# KiCad board IotFan.kicad_pcb (continued)
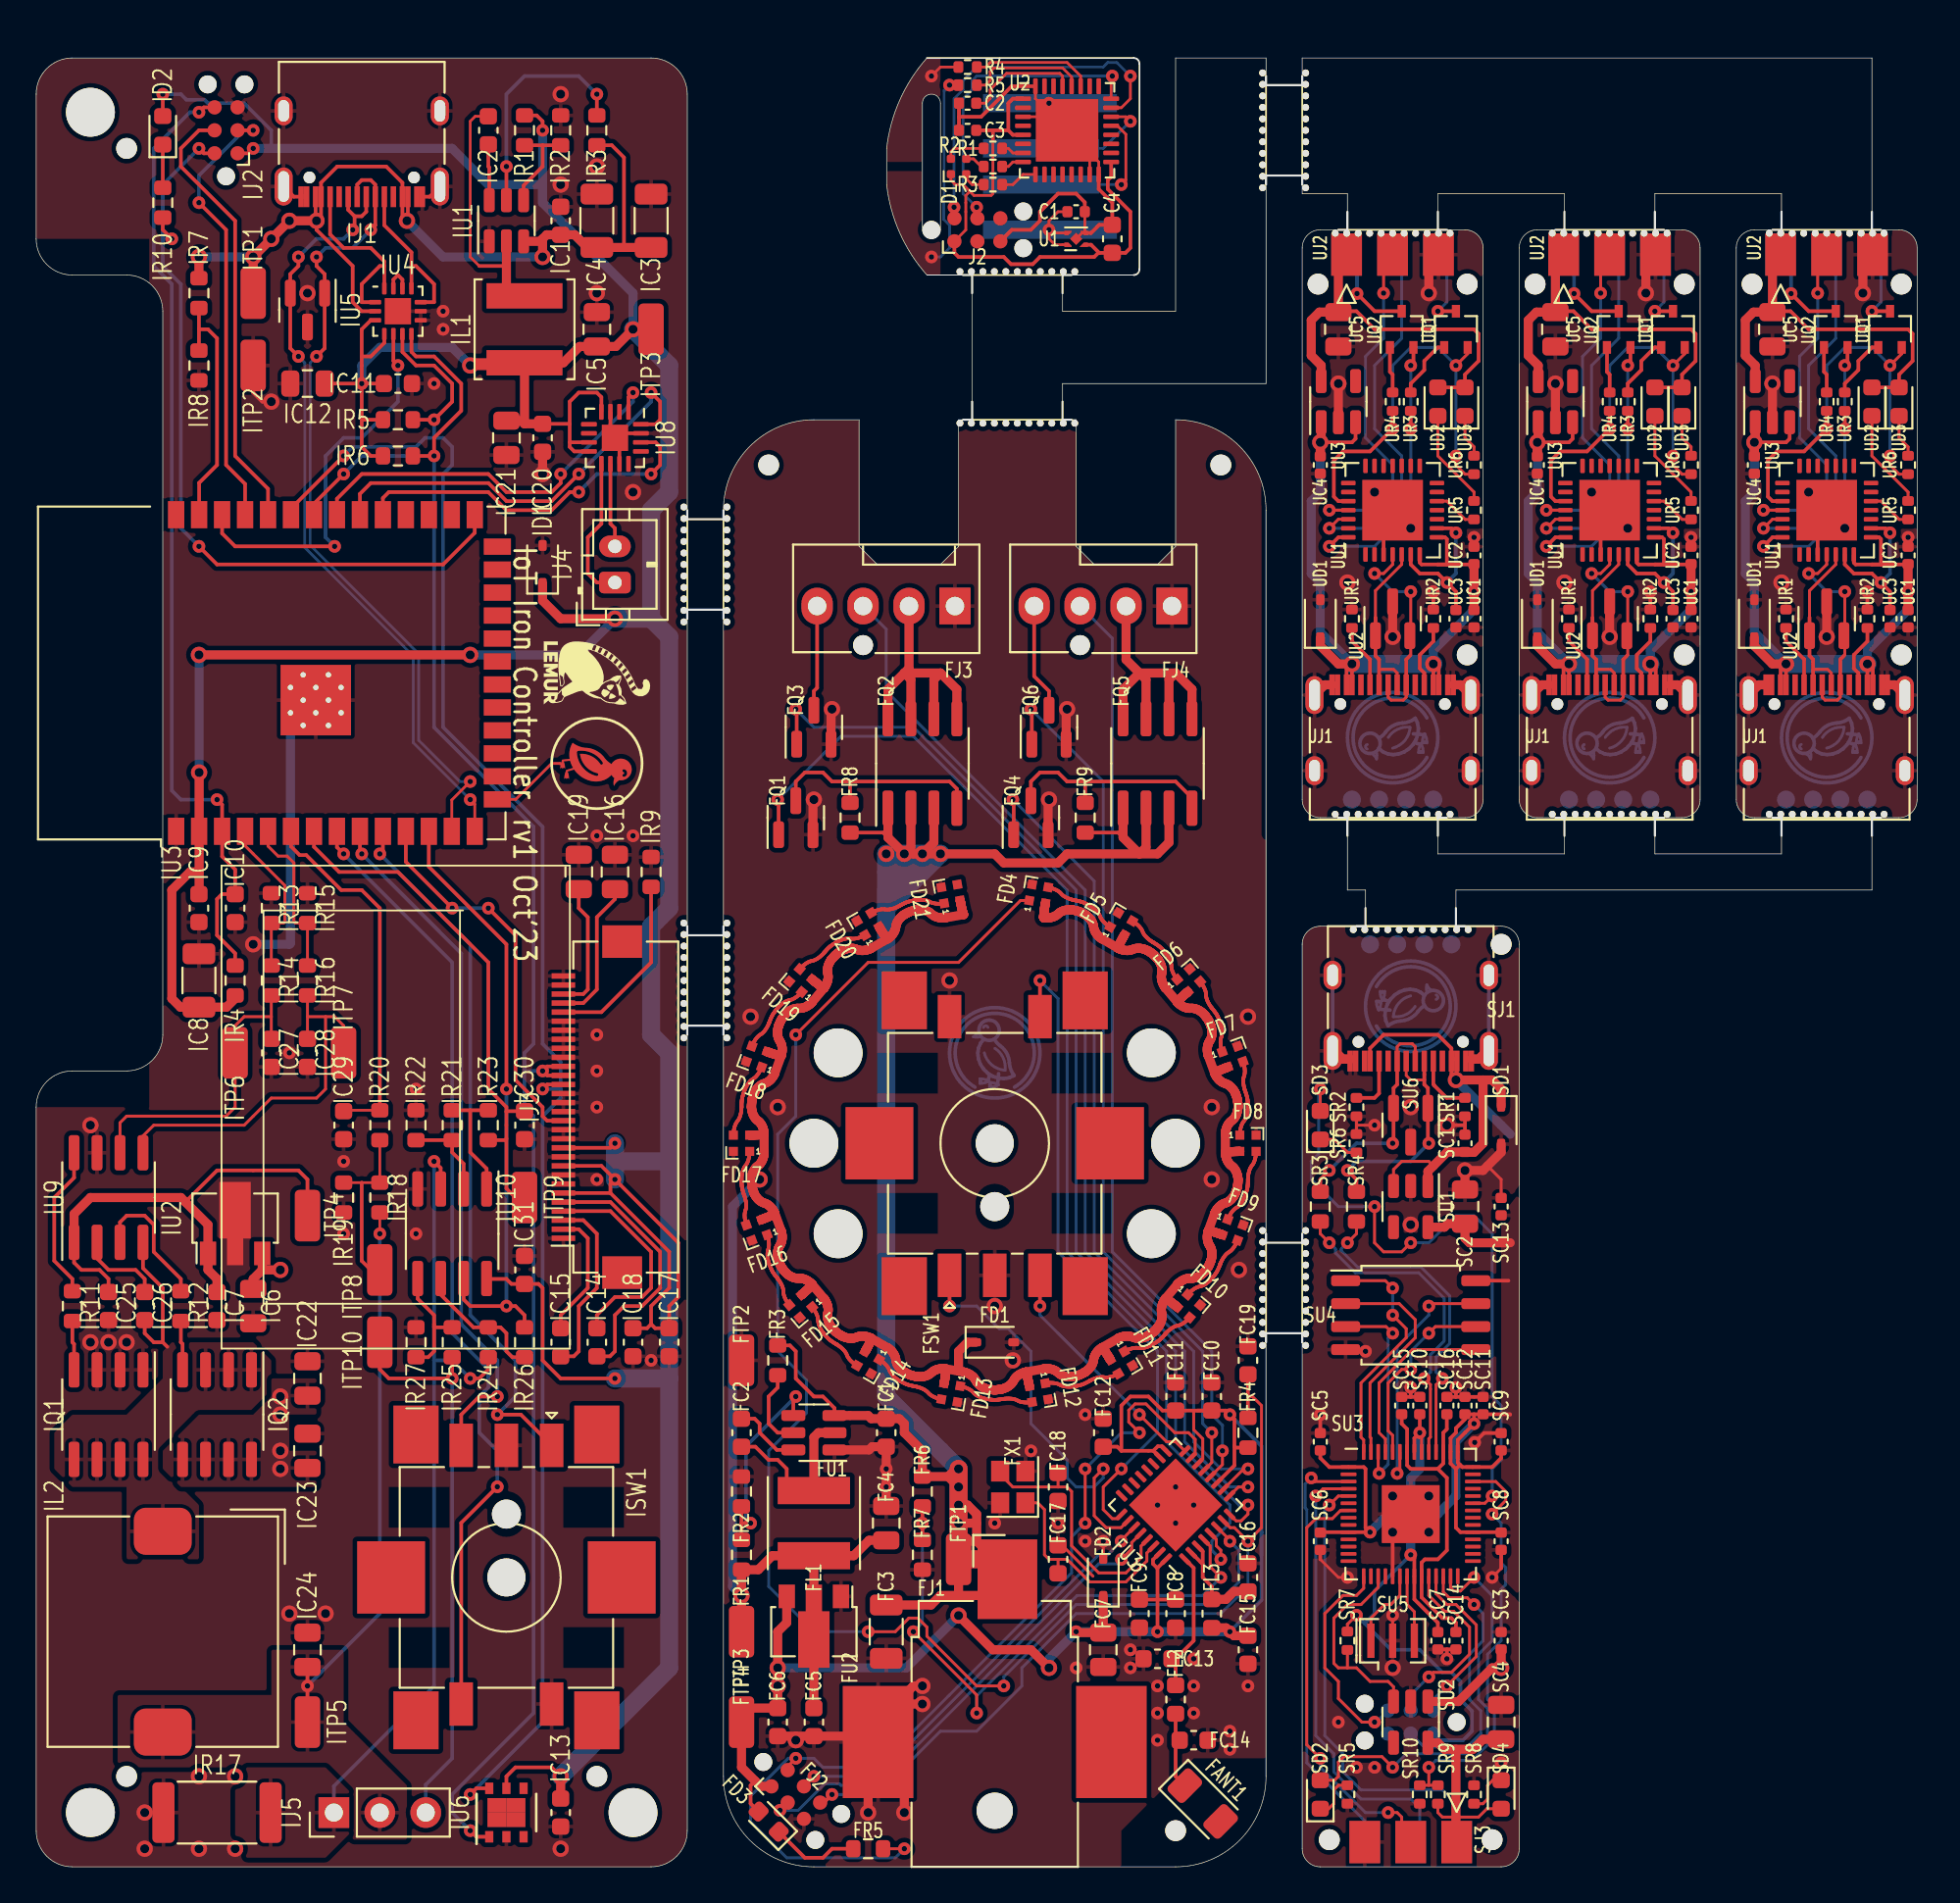
[diagram p0: board, top side]
## Routing (per net, layer and track width the routed paths; a pad name or vN(x,y) marks a point on that pad's centre or on a via; arc(x,y) is an arc through that point)
gnd: length 31.4
  Front w0.15: U2.3 55.5,96.75 ; C2.2 C3.2 ; U2.33 58.75,94.25 U2.16 ; U2.33 57,96.5 v2(56,97.5) ; U2.33 55.25,97.75 U2.32 ; C1.2 57.98,90.38 U1.2 57.83,90.33 U1.5 ; U2.15 58.25,94.5
  Front w0.2: 51.02,96.75 52.25,96.75 53.94,98.44 U2.32 ; C3.2 C2.2 ; U2.16 58.75,92.75 59.5,92 C4.2 58.78,90.78 58.33,90.33 U1.2 ; C1.2 57.98,92.02 57.5,92.5 56.5,92.5 55.5,91.5 55.5,91 55,90.5 53.94,90.5 J2.5
Sgnd: length 45.4
  Front w0.15: v2(72.5,16) 72,16 71,17 71,17.22 ; SU3.57 v1(77,20.5) ; SU3.57 v1(77,18.5) ; SU3.57 v1(75,18.5) ; SU3.57 v1(75,20.5) ; 81,17.22 81,16.5 v2(80.5,16)
  Front w0.16: 73,41 SR6.2 ; 73,41 v2(74,41) ; 73,41 SR2.1 ; 80.25,38.75 81,38 81,37.28 ; v2(75,13.91) SU5.2
  Front w0.2: 79.05,44.66 79.35,44.66 ; SC9.2 80.05,23.98 v2(79.54,23.46) ; 78.5,25.98 SC16.2 ; 78.5,25.98 SC12.2 SC11.2 ; 78.5,25.98 v2(78.5,26.5) ; SC7.2 78,12.02 ; 78,12.02 SC14.2 ; 78,12.02 v2(78,11.5) ; SU3.19 v1(75,18.5) ; 79,41 v1(78,41) ; SC6.2 71,17 ; SC8.2 81,16.5 ; SC10.2 76,25.98 ; 76,25.98 SC15.2 ; 76,25.98 v2(76,26.5) ; v2(71,25) SC5.2 ; SR1.1 SC1.2 ; 72.95,44.66 72.65,44.66 ; v2(73.5,28.5) 72,28.5
  Front w0.5: 79.35,44.66 79.75,44.66 80.32,45.22 ; SC2.2 v1(79,38.5) 80,38.5 81,39.5 SD1.2 ; 72.65,44.66 72.25,44.66 71.68,45.22
  Back w0.2: 80.32,45.22 80.32,49.4 ; 71.68,49.4 71.68,45.22
  vias: v1(75,11) v1(76,42) v1(76,35.5) v2(72,8) v2(73,5.5) v2(74,5.5) v2(81,5.75)
Sv3v3: length 79.2
  Front w0.15: SU3.48 76.6,23.9 v2(76.5,24)
  Front w0.16: v2(73,13.91) 72.5,13.41 SR7.1
  Front w0.2: SU4.8 81.41,32.41 ; SC10.1 v2(76.5,24) 76.2,23.7 SU3.49 ; 78.85,22.1 78.6,22.35 SU3.43 78.6,23.6 v2(79.5,24.5) 79.5,25.02 ; 78.85,22.1 SU3.42 80.5,22.1 81,22.6 SC9.1 ; 78.85,22.1 78.72,22.22 78.5,22 ; SC8.1 80.98,18.5 SU3.33 78.75,18.5 78.5,18.75 78.5,22 ; 79.5,25.02 SC11.1 81.48,25.02 81.5,25 ; 79.5,25.02 SC12.1 79,24.75 78.5,24.25 78.5,24 78.2,23.7 SU3.44 78.2,22.3 78.5,22 ; SC5.1 71,22.6 71.5,22.1 SU3.1 73.4,22.1 73.5,22 73.5,18.75 v2(73.75,18.5) SU3.10 71.02,18.5 SC6.1 ; SC7.1 77.5,13.49 76.2,14.79 SU3.22 76.2,17.05 v2(76,17.25)
  Front w0.5: SU1.5 77.86,35.36 78.05,35.55 SC2.1 79,34.75 79.25,34.5 81.5,34.5
  Back w0.2: 73.46,13.46 74,14 74,15.25 v2(76,17.25) ; 73.46,13.46 74.91,12 76.5,12 77.75,10.75 78.25,10.75 78.75,10.25 78.75,9.25 79.39,8.61 79.39,7.5 78.89,7 77.64,7 SJ2.1 ; 73.46,13.46 v2(73,13.91)
  Back w0.5: 76,19.5 76,21.5 76.5,22 v2(76.5,24) ; 76,19.5 v2(76,17.25) ; 76,19.5 77.5,19.5 78.5,20.5 78.5,23.5 v2(79.5,24.5) ; 76,19.5 74.75,19.5 v2(73.75,18.5)
v3v3: length 32
  Front w0.15: 51.62,92.62 51.85,92.4 52.8,92.4 52.9,92.5 52.9,95.5 ; 51.62,92.62 51.25,93 50.83,93 50.58,93.25 D1.1 ; 51.62,92.62 51.4,92.4 51.4,90.5 J2.1
  Front w0.2: U1.1 58.33,89.67 58.78,89.22 ; J2.1 50.77,89.23 51,89 53.5,89 53.9,88.6 55.1,88.6 55.5,89 58.5,89 58.72,89.22 58.78,89.22 ; U2.5 54,95.75 53.75,96 ; 52.91,96 C3.1 ; 52.91,96 53.75,96 ; 52.91,96 52.9,95.99 52.9,95.5 ; 58.78,89.22 C4.1 60.22,89.22 60.5,89.5 60.5,91.5 59.25,92.75 59.25,93.25 59.44,93.44 U2.17 ; 53.75,96 53.75,97.5 54,97.75 U2.1
Fenc.a: length 23.1
  Front w0.16: v2(59,22) 58.5,21.5 58.5,19.41 59.16,18.75 59.98,18.75 FU3.26
  Front w0.2: FSW1.A v2(50.5,31)
  Back w0.16: v2(59,22) 59,21.5 58.5,21 57.5,21 57,21.5 57,22.5 55,24.5 55,28.5 53.75,29.75 53.25,29.75 52,31 v2(50.5,31)
Fenc.b: length 16.2
  Front w0.16: FU3.16 63,23.5 62.5,23.5 v2(61,25)
  Front w0.2: FSW1.B v2(55.5,31)
  Back w0.16: v2(55.5,31) 55.5,30.5 58.5,27.5 ; 58.5,27.5 56.5,29.5 ; 58.5,27.5 v2(61,25)
Fenc.sw: length 36.5
  Front w0.16: v2(60,22) 59,21 59,19.75 59.5,19.25 59.78,19.25 FU3.25
  Front w0.2: FSW1.S1 v2(55.5,49)
  Back w0.16: v2(60,22) 62,24 62,28.5 56.5,34 56.5,48 v2(55.5,49)
Ffan[0].sense: length 59.3
  Front w0.16: FU3.9 66.47,21 v2(67,21)
  Back w0.16: FJ3.3 47,68.42 47,65 58,54 58,34 63.5,28.5 63.5,23.5 66,21 v2(67,21)
Ffan[1].sense: length 51.7
  Front w0.16: v2(65.59,23) 65.59,22.24 FU3.12
  Back w0.16: v2(65.59,23) 65.59,24.41 65,25 65,28.5 59.5,34 59.5,67.92 FJ4.3
Ffan_ctl[0].control: length 61.6
  Front w0.16: v2(67,20) 67,19.5 66.62,19.12 66.35,19.12 FU3.8
  Front w0.2: v2(42,64) 42.05,63.95 FQ3.1
  Back w0.16: v2(42,64) 43,63 48.5,63 57.5,54 57.5,34 63,28.5 63,23.5 66.5,20 v2(67,20)
Ffan_ctl[0].output: length 5.8
  Front w0.2: FJ3.4 43.18,65.18 43,65 FQ3.3
Ffan_ctl[1].control: length 48.4
  Front w0.16: FU3.13 65,22.35 v2(65,24)
  Front w0.2: v2(55,64) 55.05,63.95 FQ6.1
  Back w0.16: v2(65,24) 64.5,24.5 64.5,28.5 59,34 59,60 v2(55,64)
Ffan_ctl[1].output: length 6.1
  Front w0.2: FJ4.4 55.18,65.82 56,65 FQ6.3
Ffan_drv[0].control: length 65.9
  Front w0.16: FU3.5 65.25,18.1 65.25,17.75 65.5,17.5 v2(65.5,17)
  Front w0.2: FQ1.1 41.05,58.95 v2(41,59)
  Back w0.16: v2(41,59) 44.5,62.5 48.5,62.5 57,54 57,34 62.5,28.5 62.5,23.5 66,20 66,19 65,18 65,17.5 v2(65.5,17)
Ffan_drv[0].output: length 17
  Front w0.5: 48,66 48.36,65.64 FQ2.7 ; 48,66 48.26,66.26 FJ3.2 ; 48,66 47.09,65.09 FQ2.8 ; 48,66 50,66 ; 50,66 50.91,65.09 FQ2.5 ; 50,66 49.64,65.64 FQ2.6
Ffan_drv[0].pre.drain: length 12.8
  Front w0.2: 45,60 50.5,60 50.91,59.59 FQ2.4 ; 45,60 44,60 43.5,60.5 42.5,60.5 42,60 FQ1.3 ; 45,60 FR8.2
Ffan_drv[1].control: length 47.1
  Front w0.16: v2(67,22) 66.77,22 FU3.10
  Front w0.2: v2(54,59) 54.05,58.95 FQ4.1
  Back w0.16: v2(67,22) 65.5,22 64,23.5 64,28.5 58.5,34 58.5,54.5 v2(54,59)
Ffan_drv[1].output: length 17.2
  Front w0.5: 63,66 63.91,65.09 FQ5.5 ; 63,66 62.64,65.64 FQ5.6 ; 63,66 61,66 ; FQ5.8 60.09,65.09 61,66 ; 61,66 60.26,66.74 FJ4.2 ; 61,66 61.36,65.64 FQ5.7
Ffan_drv[1].pre.drain: length 11.9
  Front w0.2: 58,60 63,60 63.91,59.09 ; 58,60 FR9.2 ; 58,60 57,60 56.5,60.5 55.5,60.5 55,60 FQ4.3
Fgnd: length 26.2
  Front w0.16: 58.43,16.07 56.72,17.78 FC17.2 ; FD2.2 v2(59,18)
  Front w0.5: FC4.2 FC1.2 46.22,23.22 46.05,23.05 FU1.1 ; 48,4 v1(48,3) ; 45,7 44.78,7.22 FC5.2 42,7.22 ; FC6.2 42,7.22 ; 42,7.22 v1(42,7) ; v1(49,10) 48.5,10 48,9.5 ; FQ3.2 43.95,63.95 v1(44,64) ; FQ4.2 55.95,58.95 v1(56,59) ; v1(43,59) 42.95,58.95 FQ1.2 ; v1(57,64) 56.95,63.95 FQ6.2 ; v1(49,9) 48,9 ; v1(46,3) 46,4
  vias: v1(39.5,47) v1(41,42) v1(50.5,49) v1(53,31) v1(54,28) v1(65,42) v1(65,38) v1(66.5,33) v1(67,47) v2(47,22) v2(47,21) v2(53,19) v2(55,23) v2(56.5,19) v2(57.5,11) v2(58,25) v2(58,18) v2(60.5,12) v2(60.5,11) v2(62,20) v2(62,10) v2(62,8.5) v2(62,7) v2(63,21) v2(63,19) v2(64,20) v2(64,11.5) v2(64,10) v2(64,8.5) v2(66,7.5) v2(66,6.5) v2(67,10)
Fledr.res.a: length 4.9
  Front w0.2: FR5.1 44,1 43.5,0.5 42.5,0.5 FD3.1
Fmcu.ic.lna_in: length 7.6
  Front w0.2: FL2.1 63,11.5 64,12.5 64,16.53 FU3.1
Fmcu.ic.vdd3p3: length 6.3
  Front w0.2: 64.5,16.73 64.5,16 65,15.5 FL3.2 ; 64.5,16.73 FU3.2 ; 64.5,16.73 64.5,17.44 FU3.3
  Front w0.5: FL3.2 65.79,14.79 66.22,15.22 FC16.1
Fmcu.pi.output: length 4.9
  Front w0.2: FL2.2 63,5 FANT1.1 64,4.98
Fmcu.program_boot_node: length 53.1
  Front w0.16: v2(58,22) v2(58,19) ; FU3.15 64.08,22.85 64.08,23.63 63.71,24 62.95,24 61.36,25.59 60.76,25.59 60.41,25.24 60.41,24.59 v2(61,24) ; 41.55,5.55 v2(42,6) ; v2(48,1) FR5.2
  Back w0.16: v2(48,1) 47.5,0.5 41.5,0.5 39.5,2.5 39.5,3.92 41.58,6 v2(42,6) 43,6 43.5,5.5 46.5,5.5 57.25,16.25 57.25,18.25 v2(58,19) ; v2(61,24) 60,24 v2(58,22)
Fmcu.program_en_node: length 44.5
  Front w0.16: 67,26 67.25,26 67.75,25.5 67.75,18.75 v2(67,18) 66.25,18.75 66.02,18.75 FU3.7
  Front w0.2: 43.55,3.55 v2(44,4) ; FC19.1 FR4.2
  Back w0.16: v2(44,4) 46.5,4 50,7.5 52,7.5 54.5,10 54.5,11 57.5,14 65.5,14 67,15.5 v2(67,18)
Fmcu.program_uart_node.a_tx: length 27.2
  Front w0.16: FU3.28 60.57,17.93 60.57,17.57 v2(60,17)
  Front w0.2: 41.13,3.13 FJ2.3
  Back w0.16: v2(60,17) 59.75,16.75 58.75,16.75 46.5,4.5 44.5,4.5 44.41,4.59 43.59,4.59 42.12,3.12 v2(41.12,3.12)
Fmcu.program_uart_node.b_tx: length 24.2
  Front w0.16: v2(59.99,18) 59.99,18.05 FU3.27
  Front w0.2: v2(43,5) FJ2.4
  Back w0.16: v2(43,5) 46.5,5 58.75,17.25 59.25,17.25 59.5,17.5 59.5,17.51 v2(59.99,18)
Fmcu.xtal_node.driver.xtal_in: length 12.2
  Front w0.16: 56.5,17 FC17.1 ; 56.5,17 56,17 55.75,17.25 55.75,19.75 55.38,20.12 FX1.1 ; 56.5,17 57,17 58.25,15.75 60.25,15.75 61.41,16.91 61.41,17.35 FU3.30
Fmcu.xtal_node.driver.xtal_out: length 14.2
  Front w0.16: 56.5,21 57,21 57.25,20.75 57.25,17.75 58.75,16.25 60.25,16.25 61.09,17.09 61.09,17.74 FU3.29 ; 56.5,21 FC18.1 ; 56.5,21 54,21 53.3,21.7 FX1.3
Freg_5v.boot_cap.neg: length 7.7
  Front w0.2: FC2.2 39.77,23.22 40.49,22.5 41,22.5 41.5,22 41.5,21.5
  Front w0.5: FL1.1 43,23.75 43.25,24 FU1.2
Freg_5v.boot_cap.pos: length 3.9
  Front w0.2: FU1.6 40.95,23.05 40,24 40,24.5 39.72,24.78 FC2.1
Freg_5v.en_res.b: length 4.5
  Front w0.2: FU1.5 41,24 40.5,24.5 40.5,26 41,26.5 FR3.2
Freg_5v.fb.output: length 11.7
  Front w0.2: v2(42,26) 41.86,25.86 FU1.4 ; FR1.2 39,19 ; 39,19 v2(39.5,19) ; 39,19 FR2.1
  Back w0.2: v2(39.5,19) 39.25,19.25 39.25,23.25 v2(42,26)
Frgb_ring.din: length 83.8
  Front w0.16: FU3.6 66,18.06 v2(66,18) ; v2(46,13) 47.5,13 48.25,13.75 48.75,13.75 49.25,13.25 49.25,12.75 52,10 v2(53.5,10) ; FD4.1 54.42,53.42 51,50 46,50 v2(42,46)
  Back w0.16: v2(42,46) 42,41.5 41,40.5 41,28.5 42.59,26.91 42.59,25.09 40.5,23 40.5,15.5 43,13 v2(46,13) ; v2(53.5,10) 53.5,10.5 57.5,14.5 65.25,14.5 66.5,15.75 66.5,17.5 v2(66,18)
Frgb_ring.led[0].dout: length 3.9
  Front w0.2: 56.09,54.12 56.12,54.11 56.14,54.1 56.17,54.09 56.2,54.08 56.23,54.08 56.26,54.06 56.29,54.05 56.33,54.04 56.36,54.02 56.42,53.99 56.45,53.97 56.52,53.94 56.58,53.89 56.6,53.87 56.63,53.85 56.65,53.82 56.68,53.8 56.7,53.77 56.72,53.75 56.75,53.72 56.78,53.7 56.81,53.68 56.84,53.66 56.87,53.64 56.9,53.62 56.93,53.6 56.96,53.58 56.99,53.57 57.03,53.56 57.06,53.54 57.09,53.53 57.15,53.51 57.18,53.5 57.21,53.49 57.24,53.48 57.26,53.47 57.29,53.47 57.31,53.46 57.35,53.45 57.39,53.44 57.4,53.44 57.42,53.44 57.45,53.43 57.5,53.42 57.53,53.42 57.59,53.4 57.61,53.4 57.63,53.39 57.65,53.39 57.67,53.39 57.73,53.37 57.75,53.36 57.77,53.36 57.78,53.35 57.8,53.35 57.82,53.34 57.84,53.34 57.87,53.33 57.89,53.32 57.9,53.31 57.95,53.29 58.01,53.26 58.08,53.22 58.1,53.22 58.14,53.2 58.15,53.19 58.17,53.18 58.19,53.17 58.23,53.15 58.26,53.13 58.3,53.1 58.33,53.08 58.39,53.05 58.41,53.03 58.43,53.01 58.45,53 58.5,52.96 58.53,52.93 58.56,52.91 58.61,52.86 58.66,52.81 58.68,52.78 58.7,52.76 58.72,52.73 58.75,52.7 58.77,52.67 58.78,52.64 58.8,52.61 58.81,52.57 58.83,52.54 58.84,52.51 58.85,52.48 58.87,52.45 58.89,52.42 58.91,52.39 58.93,52.36 58.95,52.33 58.97,52.3 59,52.27 59.05,52.22 59.07,52.2 59.1,52.17 59.15,52.13 59.2,52.09 59.25,52.05 59.27,52.04
Frgb_ring.led[1].dout: length 3.9
  Front w0.2: 63.01,49.17 62.97,49.22 62.96,49.24 62.94,49.27 62.93,49.29 62.91,49.32 62.89,49.35 62.88,49.38 62.85,49.45 62.83,49.48 62.82,49.51 62.81,49.55 62.8,49.58 62.79,49.62 62.78,49.65 62.77,49.69 62.77,49.72 62.77,49.76 62.76,49.83 62.76,49.86 62.76,49.9 62.75,49.93 62.74,49.97 62.73,50 62.72,50.04 62.71,50.07 62.7,50.11 62.68,50.14 62.67,50.17 62.65,50.2 62.64,50.23 62.62,50.26 62.6,50.29 62.59,50.32 62.57,50.35 62.56,50.37 62.52,50.42 62.5,50.46 62.47,50.49 62.46,50.5 62.44,50.53 62.41,50.56 62.39,50.58 62.37,50.61 62.36,50.62 62.34,50.64 62.31,50.67 62.3,50.69 62.29,50.7 62.26,50.73 62.24,50.75 62.23,50.76 62.19,50.81 62.13,50.86 62.12,50.87 62.11,50.88 62.09,50.89 62.05,50.92 62,50.96 61.98,50.97 61.96,50.98 61.89,51.03 61.85,51.06 61.83,51.06 61.82,51.07 61.8,51.08 61.78,51.1 61.77,51.1 61.75,51.12 61.73,51.13 61.67,51.16 61.65,51.17 61.63,51.19 61.61,51.2 61.59,51.22 61.57,51.23 61.55,51.25 61.52,51.27 61.5,51.29 61.47,51.31 61.44,51.34 61.39,51.39 61.34,51.44 61.32,51.46 61.3,51.49 61.28,51.52 61.25,51.55 61.23,51.58 61.22,51.61 61.2,51.64 61.19,51.67 61.17,51.71 61.16,51.74 61.15,51.77 61.13,51.8 61.11,51.83 61.09,51.86 61.07,51.89 61.05,51.92 61.03,51.95 61,51.98 60.98,52 60.93,52.05 60.9,52.08 60.88,52.1 60.83,52.14 60.8,52.16 60.75,52.19 60.73,52.21
Frgb_ring.led[2].dout: length 3.9
  Front w0.2: 64.44,48.83 64.46,48.81 64.49,48.76 64.52,48.7 64.54,48.68 64.56,48.65 64.57,48.61 64.6,48.55 64.61,48.52 64.63,48.48 64.64,48.45 64.65,48.42 64.66,48.38 64.67,48.34 64.68,48.31 64.68,48.28 64.68,48.24 64.68,48.2 64.69,48.17 64.69,48.14 64.69,48.1 64.7,48.06 64.71,48.03 64.72,48 64.73,47.96 64.74,47.93 64.75,47.89 64.77,47.86 64.78,47.83 64.81,47.77 64.83,47.73 64.85,47.71 64.86,47.68 64.88,47.65 64.91,47.6 64.94,47.56 64.95,47.54 64.98,47.51 64.99,47.5 65.01,47.47 65.03,47.44 65.05,47.42 65.05,47.41 65.07,47.39 65.11,47.35 65.13,47.32 65.17,47.27 65.18,47.25 65.19,47.24 65.2,47.22 65.21,47.2 65.22,47.19 65.24,47.17 65.25,47.16 65.27,47.12 65.29,47.09 65.3,47.06 65.31,47.05 65.33,47.01 65.35,46.97 65.35,46.96 65.36,46.94 65.39,46.88 65.4,46.84 65.42,46.79 65.44,46.75 65.45,46.72 65.46,46.7 65.46,46.69 65.47,46.68 65.48,46.65 65.48,46.64 65.49,46.61 65.5,46.58 65.51,46.56 65.51,46.53 65.53,46.48 65.53,46.45 65.54,46.39 65.55,46.32 65.56,46.29 65.56,46.22 65.57,46.18 65.57,46.14 65.57,46.11 65.57,46.07 65.56,46.03 65.56,46 65.55,45.96 65.55,45.93 65.54,45.89 65.51,45.83 65.5,45.8 65.5,45.76 65.49,45.73 65.49,45.69 65.48,45.65 65.48,45.62 65.48,45.55 65.48,45.51 65.49,45.47 65.5,45.4 65.5,45.37 65.51,45.34 65.52,45.28 65.53,45.25 65.53,45.22 65.54,45.19
Frgb_ring.led[3].dout: length 3.9
  Front w0.2: 66.56,40.59 66.56,40.65 66.57,40.68 66.58,40.74 66.58,40.77 66.59,40.81 66.6,40.84 66.61,40.87 66.63,40.94 66.64,40.98 66.65,41.01 66.67,41.04 66.68,41.08 66.7,41.11 66.71,41.14 66.73,41.17 66.75,41.2 66.8,41.25 66.82,41.28 66.84,41.31 66.85,41.34 66.87,41.37 66.89,41.41 66.9,41.44 66.91,41.47 66.92,41.51 66.94,41.58 66.95,41.61 66.96,41.64 66.97,41.68 66.97,41.71 66.98,41.77 66.99,41.8 66.99,41.86 67,41.91 67,41.96 67,41.97 67,42.02 67,42.04 67,42.06 67,42.1 67,42.12 67,42.13 67,42.17 67,42.19 66.99,42.25 66.99,42.27 66.99,42.31 66.98,42.41 66.98,42.43 66.97,42.48 66.96,42.53 66.94,42.59 66.94,42.61 66.92,42.65 66.91,42.71 66.9,42.73 66.89,42.75 66.88,42.78 66.88,42.8 66.87,42.81 66.86,42.84 66.86,42.86 66.85,42.88 66.85,42.89 66.84,42.9 66.84,42.91 66.83,42.93 66.83,42.95 66.82,42.96 66.82,42.98 66.81,43 66.81,43.02 66.8,43.05 66.79,43.07 66.78,43.13 66.77,43.16 66.77,43.19 66.76,43.22 66.76,43.26 66.75,43.33 66.75,43.36 66.74,43.4 66.74,43.43 66.75,43.51 66.75,43.54 66.75,43.58 66.76,43.61 66.77,43.65 66.78,43.68 66.8,43.75 66.81,43.78 66.81,43.82 66.82,43.85 66.82,43.89 66.83,43.92 66.83,43.96 66.83,44 66.83,44.03 66.83,44.07 66.82,44.14 66.81,44.21 66.81,44.24 66.8,44.27 66.79,44.3 66.79,44.33 66.78,44.36 66.77,44.38
Frgb_ring.led[4].dout: length 3.9
  Front w0.2: 67.44,39.41 67.44,39.35 67.43,39.32 67.42,39.26 67.42,39.23 67.41,39.19 67.4,39.16 67.39,39.13 67.37,39.06 67.36,39.02 67.35,38.99 67.33,38.96 67.32,38.92 67.3,38.89 67.29,38.86 67.27,38.83 67.25,38.8 67.2,38.75 67.18,38.72 67.16,38.69 67.15,38.66 67.13,38.63 67.11,38.59 67.1,38.56 67.09,38.53 67.08,38.49 67.06,38.42 67.05,38.39 67.04,38.36 67.03,38.32 67.03,38.29 67.02,38.23 67.01,38.2 67.01,38.14 67,38.09 67,38.04 67,38.03 67,37.98 67,37.96 67,37.94 67,37.9 67,37.88 67,37.87 67,37.83 67,37.81 66.99,37.75 66.99,37.73 66.99,37.69 66.98,37.59 66.98,37.57 66.97,37.52 66.96,37.47 66.94,37.41 66.94,37.39 66.92,37.35 66.91,37.29 66.9,37.27 66.89,37.25 66.88,37.22 66.88,37.2 66.87,37.19 66.86,37.16 66.86,37.14 66.85,37.12 66.85,37.11 66.84,37.1 66.84,37.08 66.83,37.08 66.83,37.07 66.83,37.06 66.81,37.02 66.8,37 66.79,36.98 66.78,36.96 66.77,36.94 66.76,36.91 66.72,36.83 66.7,36.8 66.68,36.77 66.64,36.71 66.62,36.68 66.6,36.66 66.58,36.63 66.53,36.57 66.5,36.55 66.48,36.52 66.45,36.5 66.42,36.48 66.39,36.46 66.36,36.44 66.33,36.42 66.31,36.4 66.28,36.38 66.25,36.36 66.22,36.33 66.2,36.31 66.17,36.28 66.13,36.22 66.08,36.17 66.06,36.14 66.05,36.11 66.01,36.05 66,36.02 65.98,36 65.94,35.92
Frgb_ring.led[5].dout: length 3.9
  Front w0.2: 66.37,34.5 66.36,34.48 66.34,34.45 66.31,34.4 66.28,34.34 66.27,34.32 66.23,34.26 66.21,34.23 66.16,34.17 66.14,34.14 66.11,34.12 66.09,34.09 66.06,34.07 66.03,34.04 66.01,34.02 65.98,34 65.92,33.97 65.89,33.95 65.86,33.92 65.83,33.9 65.81,33.88 65.76,33.82 65.71,33.77 65.67,33.71 65.65,33.68 65.63,33.65 65.61,33.62 65.6,33.59 65.58,33.57 65.57,33.54 65.55,33.51 65.54,33.49 65.53,33.46 65.51,33.42 65.5,33.4 65.49,33.38 65.47,33.33 65.47,33.32 65.46,33.29 65.45,33.28 65.43,33.22 65.42,33.21 65.4,33.16 65.36,33.06 65.35,33.04 65.35,33.03 65.33,32.99 65.31,32.95 65.3,32.94 65.29,32.91 65.27,32.88 65.25,32.84 65.24,32.83 65.22,32.81 65.21,32.8 65.2,32.78 65.19,32.76 65.18,32.75 65.13,32.68 65.08,32.62 65.05,32.59 65.05,32.58 65.02,32.54 65,32.52 64.97,32.49 64.96,32.48 64.91,32.43 64.89,32.41 64.87,32.39 64.85,32.37 64.83,32.35 64.8,32.33 64.78,32.31 64.75,32.29 64.69,32.25 64.64,32.21 64.6,32.19 64.57,32.17 64.54,32.15 64.51,32.14 64.47,32.12 64.44,32.11 64.41,32.1 64.37,32.09 64.31,32.08 64.27,32.07 64.24,32.06 64.2,32.05 64.17,32.03 64.11,32 64.08,31.98 64.04,31.96 64.01,31.94 63.98,31.92 63.96,31.9 63.93,31.88 63.88,31.84 63.83,31.8 63.81,31.78 63.77,31.74
Frgb_ring.led[6].dout: length 3.9
  Front w0.2: 63.68,30.26 63.62,30.2 63.6,30.19 63.57,30.16 63.52,30.12 63.47,30.08 63.41,30.04 63.37,30.02 63.34,30 63.31,29.99 63.28,29.97 63.25,29.96 63.21,29.94 63.18,29.93 63.14,29.92 63.08,29.91 63.04,29.9 63.01,29.89 62.97,29.88 62.94,29.86 62.91,29.85 62.88,29.83 62.84,29.81 62.81,29.8 62.75,29.76 62.7,29.71 62.65,29.67 62.6,29.63 62.58,29.61 62.56,29.59 62.54,29.57 62.5,29.54 62.47,29.5 62.45,29.48 62.44,29.47 62.41,29.44 62.39,29.42 62.37,29.39 62.36,29.38 62.34,29.36 62.31,29.33 62.3,29.31 62.29,29.3 62.26,29.27 62.24,29.25 62.23,29.24 62.19,29.19 62.13,29.14 62.12,29.13 62.11,29.12 62.09,29.11 62.05,29.08 62,29.04 61.98,29.03 61.96,29.02 61.89,28.97 61.85,28.94 61.83,28.94 61.82,28.93 61.8,28.92 61.78,28.9 61.77,28.9 61.75,28.88 61.73,28.87 61.72,28.87 61.71,28.86 61.68,28.85 61.67,28.84 61.63,28.82 61.58,28.8 61.55,28.79 61.53,28.78 61.5,28.77 61.47,28.76 61.44,28.75 61.41,28.73 61.37,28.72 61.34,28.71 61.3,28.7 61.27,28.7 61.23,28.69 61.2,28.68 61.16,28.68 61.12,28.67 61.09,28.67 61.05,28.67 61.02,28.67 60.98,28.68 60.91,28.69 60.88,28.69 60.84,28.69 60.81,28.69 60.77,28.69 60.74,28.69 60.7,28.68 60.66,28.68 60.63,28.67 60.59,28.66 60.56,28.65 60.49,28.63 60.46,28.62 60.43,28.61 60.4,28.6 60.37,28.59 60.32,28.56 60.29,28.55
Frgb_ring.led[7].dout: length 3.9
  Front w0.2: 55.94,26.75 55.96,26.75 55.99,26.75 56.05,26.76 56.12,26.76 56.19,26.75 56.26,26.75 56.33,26.74 56.4,26.72 56.47,26.7 56.5,26.69 56.54,26.68 56.57,26.66 56.6,26.65 56.63,26.63 56.66,26.61 56.69,26.6 56.73,26.59 56.76,26.58 56.8,26.57 56.87,26.56 56.94,26.55 57.01,26.54 57.08,26.54 57.14,26.54 57.2,26.54 57.23,26.54 57.26,26.54 57.28,26.55 57.33,26.55 57.36,26.55 57.4,26.56 57.42,26.56 57.45,26.57 57.5,26.58 57.53,26.58 57.59,26.6 57.61,26.6 57.63,26.61 57.65,26.61 57.67,26.61 57.73,26.63 57.75,26.64 57.77,26.64 57.78,26.65 57.8,26.65 57.82,26.66 57.84,26.66 57.87,26.67 57.89,26.68 57.9,26.69 57.95,26.71 58.01,26.74 58.08,26.78 58.1,26.78 58.14,26.8 58.15,26.81 58.17,26.82 58.19,26.83 58.23,26.85 58.26,26.87 58.29,26.89 58.33,26.91 58.37,26.93 58.39,26.94 58.42,26.95 58.45,26.96 58.47,26.97 58.5,26.98 58.53,27 58.56,27.01 58.59,27.02 58.63,27.03 58.66,27.04 58.73,27.06 58.77,27.06 58.8,27.07 58.88,27.08 58.91,27.08 58.95,27.08 58.98,27.08 59.02,27.07 59.05,27.07 59.09,27.06 59.12,27.06 59.16,27.06 59.19,27.06 59.23,27.06 59.26,27.06 59.3,27.07 59.34,27.08 59.37,27.08 59.41,27.09 59.44,27.1 59.47,27.11 59.51,27.12 59.54,27.13 59.57,27.14 59.6,27.15 59.63,27.16 59.66,27.17 59.68,27.19 59.71,27.2
Frgb_ring.led[8].dout: length 3.9
  Front w0.2: 54.92,25.67 54.87,25.67 54.81,25.67 54.74,25.67 54.71,25.67 54.64,25.67 54.57,25.68 54.53,25.69 54.5,25.69 54.46,25.7 54.43,25.71 54.39,25.72 54.36,25.73 54.33,25.75 54.29,25.76 54.26,25.78 54.23,25.8 54.2,25.81 54.17,25.82 54.1,25.85 54.07,25.86 54.03,25.86 53.96,25.88 53.92,25.88 53.85,25.89 53.82,25.89 53.78,25.89 53.72,25.89 53.69,25.89 53.66,25.89 53.63,25.88 53.58,25.88 53.56,25.88 53.53,25.88 53.5,25.87 53.48,25.87 53.45,25.86 53.39,25.85 53.36,25.85 53.35,25.85 53.33,25.84 53.29,25.84 53.27,25.84 53.25,25.83 53.23,25.83 53.21,25.83 53.17,25.83 53.15,25.82 53.13,25.82 53.11,25.82 53.09,25.82 53.02,25.81 52.98,25.81 52.91,25.82 52.89,25.82 52.87,25.82 52.85,25.82 52.83,25.83 52.79,25.83 52.77,25.83 52.75,25.83 52.73,25.84 52.71,25.84 52.67,25.84 52.65,25.85 52.64,25.85 52.58,25.86 52.56,25.86 52.54,25.86 52.5,25.87 52.45,25.89 52.42,25.89 52.4,25.9 52.35,25.91 52.32,25.92 52.26,25.94 52.23,25.95 52.2,25.97 52.17,25.98 52.13,26 52.1,26.01 52.04,26.04 52,26.06 51.97,26.08 51.94,26.1 51.92,26.12 51.89,26.15 51.86,26.17 51.84,26.19 51.81,26.22 51.79,26.25 51.77,26.27 51.74,26.3 51.71,26.32 51.68,26.34 51.62,26.38 51.59,26.4 51.53,26.43 51.5,26.45 51.43,26.48 51.37,26.5 51.34,26.51 51.28,26.53 51.23,26.55
Frgb_ring.led[9].dout: length 3.9
  Front w0.2: 49.91,25.88 49.88,25.89 49.86,25.9 49.83,25.91 49.8,25.92 49.77,25.92 49.74,25.94 49.71,25.95 49.67,25.96 49.64,25.98 49.58,26.01 49.55,26.03 49.48,26.06 49.42,26.11 49.4,26.13 49.37,26.15 49.35,26.18 49.32,26.2 49.3,26.23 49.28,26.25 49.25,26.28 49.22,26.3 49.19,26.32 49.16,26.34 49.13,26.36 49.1,26.38 49.07,26.4 49.04,26.42 49.01,26.43 48.97,26.44 48.94,26.46 48.91,26.47 48.85,26.49 48.82,26.5 48.79,26.51 48.76,26.52 48.74,26.53 48.71,26.53 48.69,26.54 48.65,26.55 48.61,26.56 48.6,26.56 48.58,26.56 48.55,26.57 48.5,26.58 48.47,26.58 48.41,26.6 48.39,26.6 48.37,26.61 48.35,26.61 48.33,26.61 48.27,26.63 48.25,26.64 48.23,26.64 48.22,26.65 48.2,26.65 48.18,26.66 48.16,26.66 48.13,26.67 48.11,26.68 48.1,26.69 48.05,26.71 47.99,26.74 47.92,26.78 47.9,26.78 47.86,26.8 47.85,26.81 47.83,26.82 47.81,26.83 47.77,26.85 47.74,26.87 47.7,26.9 47.67,26.92 47.61,26.95 47.59,26.97 47.57,26.99 47.55,27 47.5,27.04 47.47,27.07 47.44,27.09 47.39,27.14 47.34,27.19 47.32,27.22 47.3,27.24 47.28,27.27 47.25,27.3 47.23,27.33 47.22,27.36 47.2,27.39 47.19,27.43 47.17,27.46 47.16,27.49 47.15,27.52 47.13,27.55 47.11,27.58 47.09,27.61 47.07,27.64 47.05,27.67 47.03,27.7 47,27.73 46.95,27.78 46.93,27.8 46.9,27.83 46.85,27.87 46.8,27.91 46.75,27.95 46.73,27.96
Frgb_ring.led[10].dout: length 3.9
  Front w0.2: 42.99,30.83 43.03,30.78 43.04,30.76 43.06,30.73 43.07,30.71 43.09,30.68 43.11,30.65 43.12,30.62 43.15,30.55 43.17,30.52 43.18,30.49 43.19,30.45 43.2,30.42 43.21,30.38 43.22,30.35 43.23,30.31 43.23,30.28 43.23,30.24 43.24,30.17 43.24,30.14 43.24,30.1 43.25,30.07 43.26,30.03 43.27,30 43.28,29.96 43.29,29.93 43.3,29.89 43.32,29.86 43.33,29.83 43.35,29.8 43.36,29.77 43.38,29.74 43.4,29.71 43.41,29.68 43.43,29.65 43.44,29.63 43.48,29.58 43.5,29.54 43.53,29.51 43.54,29.5 43.56,29.47 43.59,29.44 43.61,29.42 43.63,29.39 43.64,29.38 43.66,29.36 43.69,29.33 43.7,29.31 43.71,29.3 43.74,29.27 43.76,29.25 43.77,29.24 43.81,29.19 43.87,29.14 43.88,29.13 43.89,29.12 43.91,29.11 43.95,29.08 44,29.04 44.02,29.03 44.04,29.02 44.11,28.97 44.15,28.94 44.17,28.94 44.18,28.93 44.2,28.92 44.22,28.9 44.23,28.9 44.25,28.88 44.27,28.87 44.33,28.84 44.35,28.83 44.37,28.81 44.39,28.8 44.41,28.78 44.43,28.77 44.45,28.75 44.48,28.73 44.5,28.71 44.53,28.69 44.56,28.66 44.61,28.61 44.66,28.56 44.68,28.54 44.7,28.51 44.72,28.48 44.75,28.45 44.77,28.42 44.78,28.39 44.8,28.36 44.81,28.33 44.83,28.29 44.84,28.26 44.85,28.23 44.87,28.2 44.89,28.17 44.91,28.14 44.93,28.11 44.95,28.08 44.97,28.05 45,28.02 45.02,28 45.07,27.95 45.1,27.92 45.12,27.9 45.17,27.86 45.2,27.84 45.25,27.81 45.27,27.79
Frgb_ring.led[11].dout: length 3.9
  Front w0.2: 40.46,34.81 40.47,34.78 40.47,34.75 40.48,34.72 40.49,34.66 40.5,34.63 40.5,34.6 40.51,34.53 40.52,34.49 40.52,34.45 40.52,34.38 40.52,34.35 40.51,34.31 40.51,34.27 40.5,34.24 40.5,34.2 40.49,34.17 40.46,34.11 40.45,34.07 40.45,34.04 40.44,34 40.44,33.97 40.43,33.93 40.43,33.89 40.43,33.86 40.43,33.82 40.44,33.78 40.44,33.71 40.45,33.65 40.46,33.61 40.47,33.55 40.47,33.52 40.49,33.47 40.49,33.44 40.5,33.42 40.51,33.39 40.52,33.36 40.53,33.33 40.53,33.32 40.54,33.29 40.55,33.28 40.57,33.22 40.58,33.21 40.6,33.16 40.64,33.06 40.65,33.04 40.65,33.03 40.67,32.99 40.69,32.95 40.7,32.94 40.71,32.91 40.73,32.88 40.75,32.84 40.76,32.83 40.78,32.81 40.79,32.8 40.8,32.78 40.81,32.76 40.82,32.75 40.87,32.68 40.92,32.62 40.95,32.59 40.95,32.58 40.98,32.54 41.01,32.51 41.01,32.5 41.02,32.49 41.05,32.46 41.06,32.44 41.09,32.4 41.12,32.35 41.14,32.32 41.15,32.29 41.17,32.27 41.19,32.23 41.22,32.17 41.23,32.14 41.25,32.11 41.26,32.07 41.27,32.04 41.28,32 41.29,31.97 41.3,31.94 41.31,31.9 41.31,31.86 41.31,31.83 41.32,31.8 41.32,31.76 41.32,31.72 41.32,31.69 41.33,31.66 41.34,31.62 41.35,31.58 41.36,31.55 41.37,31.52 41.39,31.48 41.4,31.45 41.43,31.39 41.44,31.35 41.46,31.32 41.48,31.3 41.51,31.24 41.54,31.19 41.56,31.17
Frgb_ring.led[12].dout: length 3.9
  Front w0.2: 39.44,39.41 39.44,39.35 39.43,39.32 39.42,39.26 39.42,39.23 39.41,39.19 39.4,39.16 39.39,39.13 39.37,39.06 39.36,39.02 39.35,38.99 39.33,38.96 39.32,38.92 39.3,38.89 39.29,38.86 39.27,38.83 39.25,38.8 39.2,38.75 39.18,38.72 39.16,38.69 39.15,38.66 39.13,38.63 39.11,38.59 39.1,38.56 39.09,38.53 39.08,38.49 39.06,38.42 39.05,38.39 39.04,38.36 39.03,38.32 39.03,38.29 39.02,38.23 39.01,38.2 39.01,38.14 39,38.09 39,38.04 39,38.03 39,37.98 39,37.96 39,37.94 39,37.9 39,37.88 39,37.87 39,37.83 39,37.81 39.01,37.75 39.01,37.73 39.01,37.69 39.02,37.59 39.02,37.57 39.03,37.52 39.04,37.47 39.06,37.41 39.06,37.39 39.08,37.35 39.09,37.29 39.1,37.27 39.11,37.25 39.12,37.22 39.12,37.2 39.13,37.19 39.14,37.16 39.14,37.14 39.15,37.12 39.15,37.11 39.16,37.1 39.16,37.09 39.17,37.07 39.17,37.05 39.18,37.04 39.18,37.02 39.19,37 39.19,36.98 39.2,36.95 39.21,36.93 39.22,36.87 39.23,36.84 39.23,36.81 39.24,36.78 39.24,36.74 39.25,36.67 39.25,36.64 39.26,36.6 39.26,36.57 39.25,36.49 39.25,36.46 39.25,36.42 39.24,36.39 39.23,36.35 39.22,36.32 39.2,36.25 39.19,36.22 39.19,36.18 39.18,36.15 39.18,36.11 39.17,36.08 39.17,36.04 39.17,36 39.17,35.97 39.17,35.93 39.18,35.86 39.19,35.79 39.19,35.76 39.2,35.73 39.21,35.7 39.21,35.67 39.22,35.64 39.23,35.62
